# Altium PCB DAC_Sources.PcbDoc (part 5 of 8)
Units mm, origin at the board's own origin, x right, y up, seen from the top; angles counter-clockwise.
Board outline 277 x 137 mm, 8 copper layers (Top Layer, GND_02, SIG_03, PWR_04, PWR_05, SIG_06, GND_07, Bottom Layer), stack 1.669 mm thick; 635 components, 416 nets, 2247 pads, 2216 vias.
Unrouted connection lines stored in the file: 515.
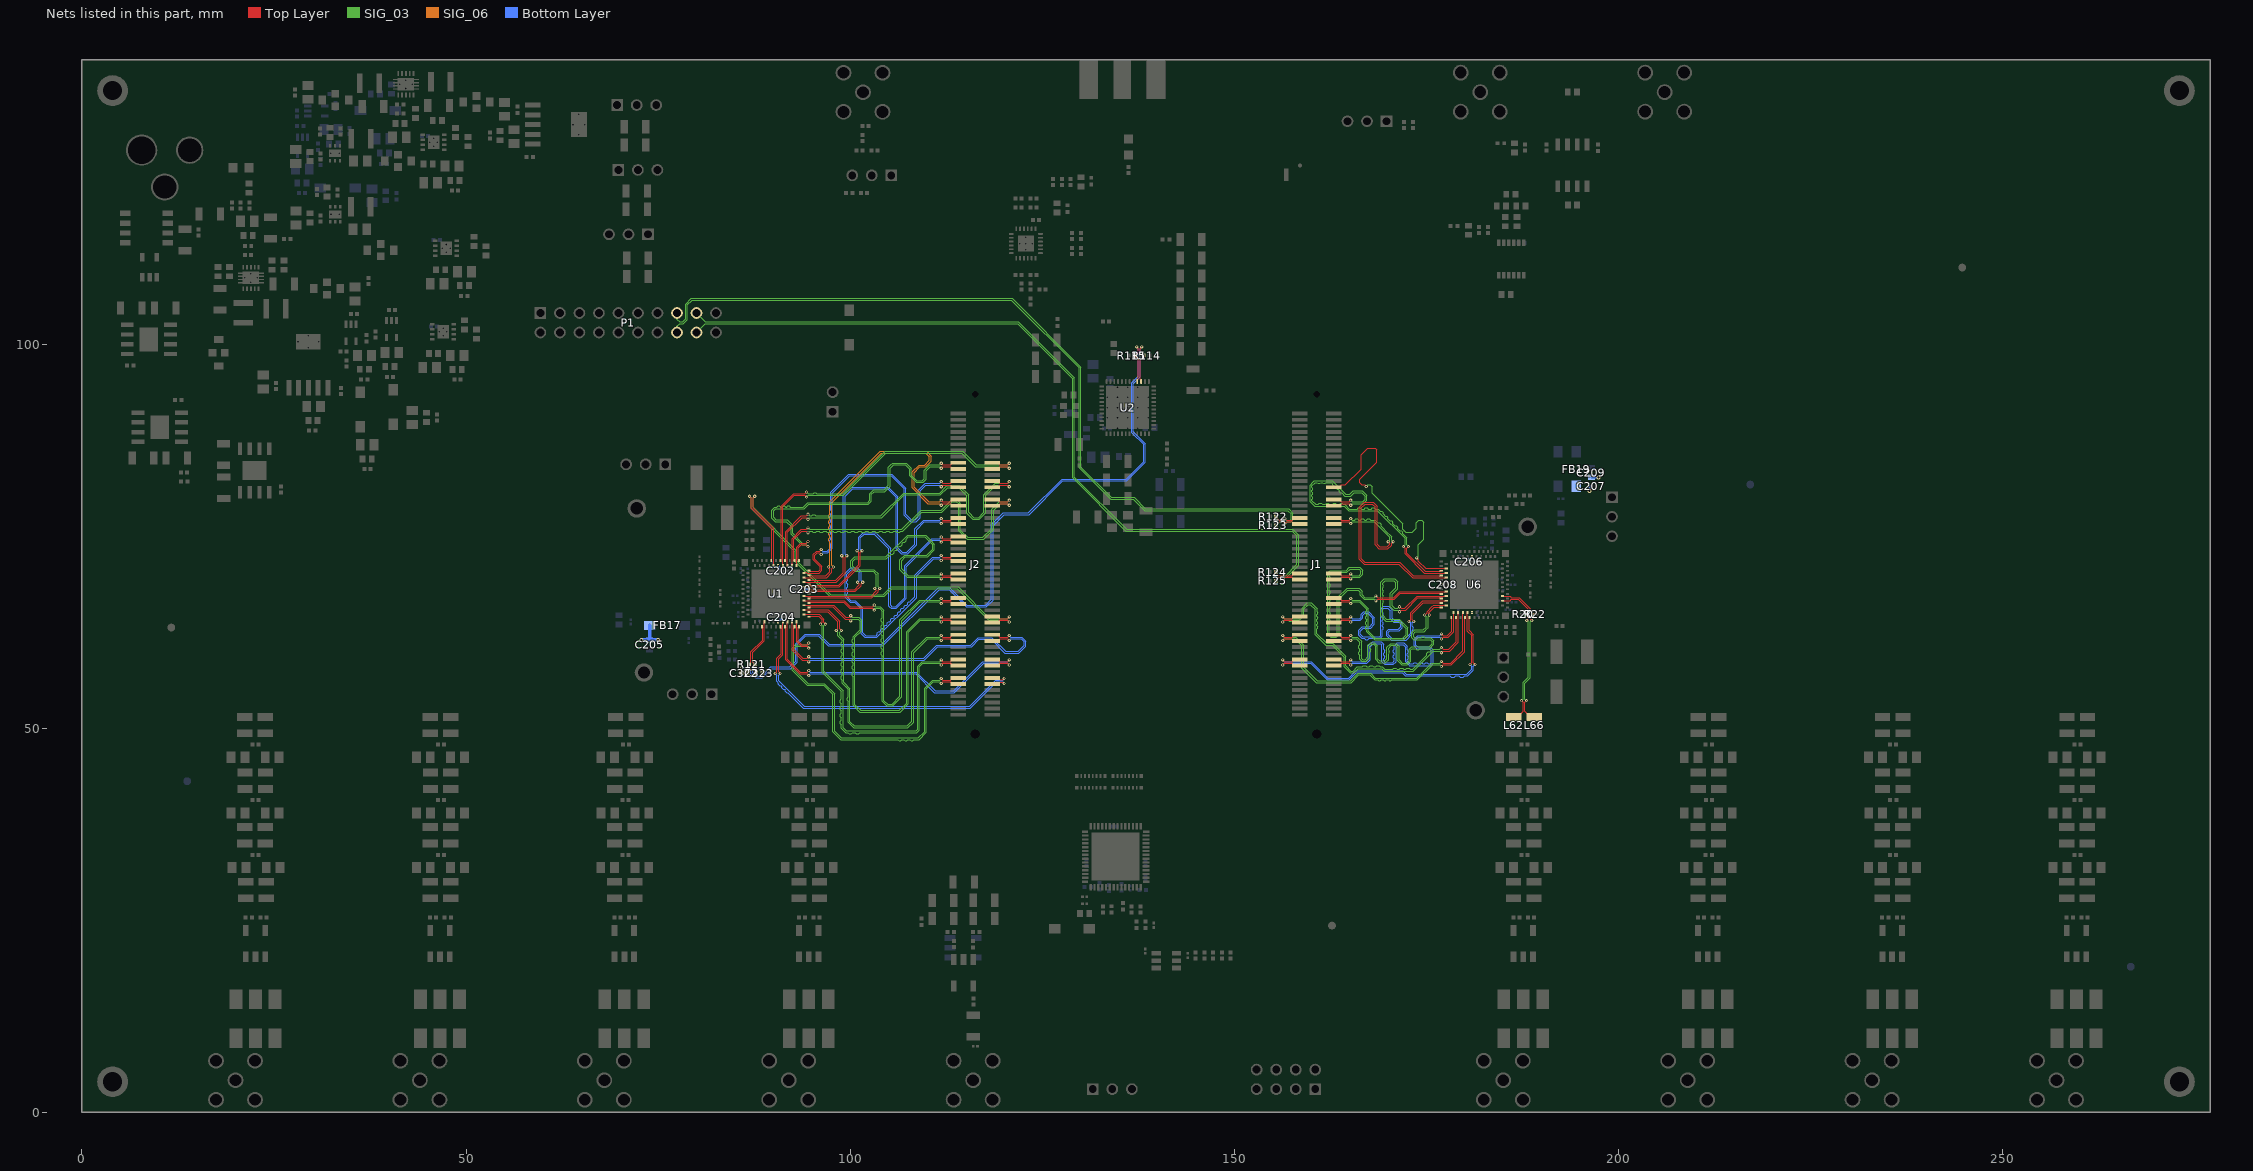
[diagram p11: the nets of this part, all layers, seen from the top]

## Via types
v1: diameter 0.406, hole 0.203, Top Layer to Bottom Layer, tented both sides, 1493 vias
v2: diameter 0.508, hole 0.254, Top Layer to Bottom Layer, tented both sides, 563 vias
v3: diameter 0.254, hole 0.152, Top Layer to Bottom Layer, tented both sides, 60 vias
v4: diameter 0.6, hole 0.3, Top Layer to Bottom Layer, tented top, 58 vias
v5: diameter 0.61, hole 0.305, Top Layer to Bottom Layer, tented top, 25 vias
v6: diameter 0.61, hole 0.305, Top Layer to Bottom Layer, tented both sides, 15 vias
v7: diameter 2, hole 1, Top Layer to Bottom Layer, tented both sides, 2 vias

## Nets (pads, with @x,y where several pads share a name; then routed paths per layer and width w, separated by ;. In a path a pad name is that pad's centre, name@x,y a point inside that pad or via, vN(x,y) a via of type N, cw(c..) or ccw(c..) an arc to the next point about the centre after c; other vN are vias at no path point) (continued)
IOUT2D_N: L66.1 R22.2 U6.B33 | length 20.2
  Top Layer w0.127: U6.B33@184.88,67.2 185.88,67.2 186.066,67.014 187.065,67.014 188.504,65.575 188.504,65.228 R22.2@188.87,64.862 188.807,64.798 188.673,64.798 188.504,64.63 188.504,64.268 v1(188.72,64.052) ; v1(188.031,53.594) 187.815,53.378 187.815,52.22 188.486,51.549 188.971,51.549 L66.1@189.034,51.486
  SIG_03 w0.102: v1(188.031,53.594) 187.815,53.81 187.815,55.872 188.504,56.561 188.504,63.836 v1(188.72,64.052)
IOUT2D_P: L62.2 R20.2 U6.B32 | length 19.8
  Top Layer w0.127: U6.B32@184.88,66.6 185.88,66.6 186.066,66.786 186.97,66.786 188.276,65.48 188.276,65.228 R20.2@187.91,64.862 187.974,64.798 188.107,64.798 188.276,64.63 188.276,64.268 v1(188.06,64.052) ; L62.2@186.367,51.486 186.431,51.549 186.916,51.549 187.587,52.22 187.587,53.378 v1(187.371,53.594)
  SIG_03 w0.102: v1(187.371,53.594) 187.587,53.81 187.587,55.967 188.276,56.656 188.276,63.836 v1(188.06,64.052)
IOVDD_DAC1: C202.1 C203.1 C204.1 C205.1 FB17.2 U1.A17 U1.B6 U1.B25 | length 5.8
  Bottom Layer w0.254: v3(90.63,63.868) 90.932,64.17 C204.1@91.01,64.17 ; v3(90.63,71.168) 90.97,70.828 C202.1@90.97,70.78 ; C203.1@94.31,68.08 94.63,67.76 v3(94.63,67.518)
  Bottom Layer w0.508: v2(72.83,61.48) C205.1@73.91,61.48 ; FB17.2@73.91,63.39 C205.1@73.91,61.48 ; v2(74.98,61.47) C205.1@73.9,61.47 C205.1@73.91,61.48
IOVDD_DAC2: C206.1 C207.1 C208.1 C209.1 FB19.2 U6.A17 U6.B6 U6.B25 | length 2.1
  Bottom Layer w0.254: C206.1@180.55,71.96 180.55,71.97 v3(180.93,72.35) ; v2(196.2,80.86) C207.1@196.2,81.5 ; C209.1@196.46,82.67 196.465,82.665 197.375,82.665 v2(197.38,82.66)
  other v3: 180.93,65.05 176.93,68.7
JX1_D0_DAC1_N: J2.17 U1.A27 | length 43.3
  Top Layer w0.127: U1.A27@90.93,71.818 90.991,71.88 90.991,72.019 91.001,72.029 91.001,78.91 92.625,80.534 94.104,80.534 v1(94.32,80.75) ; J2.17@118.475,84.567 119.225,84.567 119.412,84.38 119.412,84.358 119.489,84.281 120.481,84.281 v1(120.697,84.497)
  SIG_03 w0.102: v1(94.32,80.75) 94.536,80.534 95.184,80.534 95.32,80.67 95.534,80.67 95.67,80.534 97.4,80.534 99.054,80.534 104.557,86.037 114.636,86.037 116.392,84.281 120.481,84.281 v1(120.697,84.497)
JX1_D0_DAC1_P: J2.19 U1.B24 | length 43.4
  Top Layer w0.127: U1.B24@91.23,71.168 91.23,78.815 92.72,80.306 94.104,80.306 v1(94.32,80.09) ; J2.19@118.475,83.767 119.225,83.767 119.412,83.953 119.412,83.972 119.493,84.053 120.481,84.053 v1(120.697,83.837)
  SIG_03 w0.102: v1(94.32,80.09) 94.536,80.305 97.305,80.305 99.149,80.305 104.652,85.808 114.542,85.808 116.297,84.053 120.481,84.053 v1(120.697,83.837)
JX1_D1_DAC1_N: J2.23 U1.A26 | length 44.4
  Top Layer w0.127: U1.A26@91.53,71.818 91.591,71.88 91.591,72.019 91.601,72.029 91.601,75.609 93.645,77.653 94.294,77.653 v1(94.51,77.869) ; J2.23@118.475,82.167 119.225,82.167 119.412,81.98 119.412,81.958 119.489,81.881 120.481,81.881 v1(120.697,82.097)
  SIG_03 w0.102: v1(94.51,77.869) 94.726,77.653 95.003,77.653 95.14,77.79 95.36,77.79 95.497,77.653 103.983,77.653 106.949,80.619 111.649,80.619 112.583,81.553 114.227,81.553 115.4,80.38 115.4,78.101 116.071,77.43 116.701,77.43 117.401,78.13 117.401,80.425 118.858,81.881 120.481,81.881 v1(120.697,82.097)
JX1_D1_DAC1_P: J2.25 U1.B23 | length 44.6
  Top Layer w0.127: U1.B23@91.83,71.168 91.83,75.514 93.74,77.424 94.294,77.424 v1(94.51,77.208) ; J2.25@118.475,81.367 119.225,81.367 119.412,81.553 119.412,81.572 119.493,81.653 120.481,81.653 v1(120.697,81.437)
  SIG_03 w0.102: v1(94.51,77.208) 94.726,77.424 104.077,77.424 107.043,80.39 111.743,80.39 112.678,81.325 114.132,81.325 115.171,80.285 115.171,78.007 115.977,77.201 116.796,77.201 117.63,78.035 117.63,80.33 118.953,81.653 120.481,81.653 v1(120.697,81.437)
JX1_D2_DAC1_N: J2.29 U1.B22 | length 44.1
  Top Layer w0.127: U1.B22@92.43,71.168 92.43,72.825 92.43,74.699 93.605,75.874 94.294,75.874 v1(94.51,76.09) ; J2.29@118.475,79.767 119.225,79.767 119.412,79.58 119.412,79.558 119.489,79.481 120.481,79.481 v1(120.697,79.697)
  SIG_03 w0.102: v1(94.51,76.09) 94.726,75.874 106.724,75.874 109.229,78.379 111.839,78.379 113.201,79.741 113.915,79.741 114.35,79.305 114.35,75.8 115.31,74.84 117.28,74.84 118.441,76.001 118.441,78.495 119.428,79.481 120.481,79.481 v1(120.697,79.697)
JX1_D2_DAC1_P: J2.31 U1.A24 | length 44.2
  Top Layer w0.127: U1.A24@92.73,71.818 92.669,71.88 92.669,72.019 92.659,72.029 92.659,74.604 93.7,75.646 94.294,75.646 v1(94.51,75.43) ; J2.31@118.475,78.967 119.225,78.967 119.412,79.153 119.412,79.172 119.493,79.253 120.481,79.253 v1(120.697,79.037)
  SIG_03 w0.102: v1(94.51,75.43) 94.726,75.646 95.034,75.646 95.14,75.54 95.53,75.54 95.636,75.646 95.944,75.646 96.05,75.54 96.44,75.54 96.546,75.646 96.854,75.646 96.96,75.54 97.35,75.54 97.456,75.646 97.764,75.646 97.87,75.54 98.26,75.54 98.366,75.646 98.674,75.646 98.78,75.54 99.17,75.54 99.276,75.646 99.584,75.646 99.69,75.54 100.08,75.54 100.186,75.646 100.494,75.646 100.6,75.54 100.99,75.54 101.096,75.646 101.404,75.646 101.51,75.54 101.9,75.54 102.006,75.646 102.314,75.646 102.42,75.54 102.81,75.54 102.916,75.646 103.224,75.646 103.33,75.54 103.72,75.54 103.826,75.646 104.134,75.646 104.24,75.54 104.63,75.54 104.736,75.646 105.044,75.646 105.15,75.54 105.54,75.54 105.646,75.646 105.954,75.646 106.06,75.54 106.45,75.54 106.556,75.646 106.819,75.646 109.323,78.15 111.933,78.15 113.295,79.512 113.82,79.512 114.121,79.211 114.121,75.705 115.215,74.611 117.375,74.611 118.67,75.907 118.67,78.4 119.523,79.253 120.481,79.253 v1(120.697,79.037)
JX1_D3_DAC1_N: J2.20 U1.B21 | length 43.3
  Top Layer w0.127: U1.B21@93.03,71.168 93.03,72.825 93.03,73.573 93.553,74.096 94.294,74.096 v1(94.51,74.312) ; v1(111.853,83.837) 112.069,84.053 113.057,84.053 113.139,83.972 113.139,83.953 113.325,83.767 J2.20@114.075,83.767
  SIG_03 w0.102: v1(94.51,74.312) 94.294,74.096 93.79,74.096 92.529,75.358 92.529,76.415 91.803,77.14 90.33,77.14 90.035,77.435 90.035,78.313 90.293,78.571 94.002,78.571 94.581,79.15 101.473,79.15 102.353,79.15 102.77,79.567 102.77,80.45 103.131,80.811 104.506,80.811 105.21,81.515 105.21,83.857 105.643,84.29 107.17,84.29 107.741,83.719 107.741,82.845 108.575,82.011 109.495,82.011 109.88,82.397 109.88,83.51 110.423,84.053 111.637,84.053 v1(111.853,83.837)
JX1_D3_DAC1_P: J2.18 U1.A23 | length 43.5
  Top Layer w0.127: U1.A23@93.33,71.818 93.269,71.88 93.269,72.019 93.259,72.029 93.259,73.479 93.648,73.868 94.294,73.868 v1(94.51,73.652) ; v1(111.853,84.497) 112.069,84.281 113.061,84.281 113.139,84.358 113.139,84.38 113.325,84.567 J2.18@114.075,84.567
  SIG_03 w0.102: v1(94.51,73.652) 94.294,73.868 93.695,73.868 92.3,75.263 92.3,76.32 91.709,76.911 90.235,76.911 89.806,77.341 89.806,78.408 90.198,78.8 90.46,78.8 90.62,78.96 90.79,78.96 90.95,78.8 91.1,78.8 91.26,78.96 91.43,78.96 91.59,78.8 91.74,78.8 91.9,78.96 92.07,78.96 92.23,78.8 93.907,78.8 94.486,79.379 102.259,79.379 102.541,79.661 102.541,80.545 103.037,81.04 104.411,81.04 104.981,81.61 104.981,83.951 105.311,84.281 105.549,84.519 107.265,84.519 107.97,83.813 107.97,82.94 108.67,82.24 109.4,82.24 109.651,82.491 109.651,83.605 110.328,84.281 111.637,84.281 v1(111.853,84.497)
JX1_D4_DAC1_N: J2.24 U1.A22 | length 41
  Top Layer w0.127: U1.A22@94.63,70.518 94.691,70.457 94.819,70.457 94.841,70.435 95.897,70.435 96.1,70.638 96.1,71.017 95.191,71.925 95.191,72.625 95.631,73.064 96.024,73.064 v1(96.24,73.28) ; v1(111.853,82.097) 112.069,81.881 113.061,81.881 113.139,81.958 113.139,81.98 113.325,82.167 J2.24@114.075,82.167
  Bottom Layer w0.127: v1(96.24,73.28) 96.456,73.064 96.99,73.064 97.45,73.524 97.45,73.98 97.32,74.11 97.32,74.45 97.45,74.58 97.45,74.75 97.32,74.88 97.32,75.22 97.45,75.35 97.45,75.52 97.32,75.65 97.32,75.99 97.45,76.12 97.45,76.29 97.32,76.42 97.32,76.76 97.45,76.89 97.45,77.06 97.32,77.19 97.32,77.53 97.45,77.66 97.45,77.83 97.32,77.96 97.32,78.3 97.45,78.43 97.45,80.693 99.845,83.089 105.415,83.089 107.259,81.245 107.259,77.844 107.977,77.127 108.497,77.127 108.88,77.51 108.88,80.993 109.768,81.881 111.637,81.881 v1(111.853,82.097)
JX1_D4_DAC1_P: J2.26 U1.B20 | length 41
  Top Layer w0.127: U1.B20@93.98,70.218 94.042,70.28 94.312,70.28 94.385,70.207 95.992,70.207 96.329,70.543 96.329,71.111 95.42,72.02 95.42,72.53 95.726,72.836 96.024,72.836 v1(96.24,72.62) ; v1(111.853,81.437) 112.069,81.653 113.057,81.653 113.139,81.572 113.139,81.553 113.325,81.367 J2.26@114.075,81.367
  Bottom Layer w0.127: v1(96.24,72.62) 96.456,72.836 97.085,72.836 97.679,73.43 97.679,80.599 99.94,82.86 105.32,82.86 107.03,81.15 107.03,77.75 107.882,76.898 108.591,76.898 109.109,77.415 109.109,80.899 109.863,81.653 111.637,81.653 v1(111.853,81.437)
JX1_D5_DAC1_N: J2.30 U1.A21 | length 41.3
  Top Layer w0.127: U1.A21@94.63,69.918 94.691,69.857 94.831,69.857 94.841,69.847 96.837,69.847 97.371,70.38 97.371,70.777 v1(97.155,70.993) ; v1(111.853,79.697) 112.069,79.481 113.061,79.481 113.139,79.558 113.139,79.58 113.325,79.767 J2.30@114.075,79.767
  SIG_06 w0.102: v1(97.155,70.993) 97.371,71.209 97.371,74.229 97.21,74.39 97.21,74.64 97.371,74.801 97.371,74.999 97.21,75.16 97.21,75.41 97.371,75.571 97.371,75.769 97.21,75.93 97.21,76.18 97.371,76.341 97.371,76.539 97.21,76.7 97.21,76.95 97.371,77.111 97.371,77.309 97.21,77.47 97.21,77.72 97.371,77.881 97.371,79.474 97.438,79.541 103.935,86.039 109.935,86.039 110.549,85.425 110.549,84.765 109.813,84.03 109.07,84.03 108.32,83.28 108.32,81.38 110.219,79.481 111.637,79.481 v1(111.853,79.697)
JX1_D5_DAC1_P: J2.32 U1.B19 | length 41.3
  Top Layer w0.127: U1.B19@93.98,69.618 95.637,69.618 96.932,69.618 97.599,70.285 97.599,70.777 v1(97.815,70.993) ; v1(111.853,79.037) 112.069,79.253 113.057,79.253 113.139,79.172 113.139,79.153 113.325,78.967 J2.32@114.075,78.967
  SIG_06 w0.102: v1(97.815,70.993) 97.599,71.209 97.599,79.38 104.03,85.81 109.84,85.81 110.32,85.33 110.32,84.86 109.719,84.259 108.975,84.259 108.091,83.375 108.091,81.285 110.124,79.253 111.637,79.253 v1(111.853,79.037)
JX1_D6_DAC1_N: J2.36 U1.A20 | length 41.2
  Top Layer w0.127: U1.A20@94.63,69.318 94.691,69.257 94.831,69.257 94.841,69.247 98.107,69.247 99.117,70.257 99.117,72.243 v1(98.901,72.459) ; v1(111.853,77.297) 112.069,77.081 113.061,77.081 113.139,77.158 113.139,77.18 113.325,77.367 J2.36@114.075,77.367
  Bottom Layer w0.127: v1(98.901,72.459) 99.117,72.675 99.117,80.301 100.209,81.392 104.953,81.392 106.199,80.146 106.199,73.481 106.75,72.93 107.39,72.93 108.43,73.97 108.43,75.95 109.561,77.081 111.637,77.081 v1(111.853,77.297)
JX1_D6_DAC1_P: J2.38 U1.B18 | length 41.8
  Top Layer w0.127: U1.B18@93.98,69.018 95.637,69.018 98.201,69.018 99.346,70.163 99.346,72.243 v1(99.562,72.459) ; v1(111.853,76.637) 112.069,76.853 113.057,76.853 113.139,76.772 113.139,76.753 113.325,76.567 J2.38@114.075,76.567
  Bottom Layer w0.127: v1(99.562,72.459) 99.346,72.675 99.346,80.206 100.303,81.163 104.858,81.163 105.97,80.051 105.97,73.387 106.655,72.701 107.485,72.701 108.659,73.875 108.659,75.855 109.656,76.853 111.637,76.853 v1(111.853,76.637)
JX1_D7_DAC1_N: J2.42 U1.A19 | length 39.3
  Top Layer w0.127: U1.A19@94.63,68.718 94.691,68.657 94.831,68.657 94.841,68.647 98.487,68.647 101.106,71.266 101.106,72.884 v1(100.89,73.1) ; v1(111.853,74.897) 112.069,74.681 113.061,74.681 113.139,74.758 113.139,74.78 113.325,74.967 J2.42@114.075,74.967
  Bottom Layer w0.127: v1(100.89,73.1) 101.106,73.316 101.106,74.869 101.715,75.479 103.255,75.479 103.375,75.359 ; 103.442,75.292 105.27,73.463 105.27,66 105.441,65.829 105.899,65.829 107.07,67 107.07,71.152 110.6,74.681 111.637,74.681 v1(111.853,74.897)
JX1_D7_DAC1_P: J2.44 U1.B17 | length 40
  Top Layer w0.127: U1.B17@93.98,68.418 95.637,68.418 98.581,68.418 101.334,71.171 101.334,72.884 v1(101.55,73.1) ; v1(111.853,74.237) 112.069,74.453 113.057,74.453 113.139,74.372 113.139,74.353 113.325,74.167 J2.44@114.075,74.167
  Bottom Layer w0.127: v1(101.55,73.1) 101.334,73.316 101.334,74.774 101.81,75.25 103.16,75.25 105.041,73.369 105.041,65.905 105.108,65.838 105.347,65.6 105.993,65.6 107.232,66.838 107.299,66.905 107.299,71.057 110.694,74.453 111.637,74.453 v1(111.853,74.237)
JX1_D8_DAC1_N: J2.62 U1.B14 | length 44.5
  Top Layer w0.127: U1.B14@93.98,66.618 95.637,66.618 99.232,66.618 100.016,65.834 102.914,65.834 v1(103.13,66.05) ; v1(111.853,66.897) 112.069,66.681 113.061,66.681 113.139,66.758 113.139,66.78 113.325,66.967 J2.62@114.075,66.967
  SIG_03 w0.102: v1(103.13,66.05) 103.346,65.834 103.919,65.834 104.399,65.355 104.399,53.615 104.873,53.14 105.45,53.14 106.48,54.17 106.48,64.12 109.041,66.681 111.637,66.681 v1(111.853,66.897)
JX1_D8_DAC1_P: J2.64 U1.A15 | length 44.5
  Top Layer w0.127: U1.A15@94.63,66.318 94.691,66.379 94.831,66.379 94.841,66.389 99.137,66.389 99.921,65.605 102.914,65.605 v1(103.13,65.39) ; v1(111.853,66.237) 112.069,66.453 113.057,66.453 113.139,66.372 113.139,66.353 113.325,66.167 J2.64@114.075,66.167
  SIG_03 w0.102: v1(103.13,65.39) 103.346,65.605 103.825,65.605 104.17,65.26 104.17,64.37 104.037,64.237 104.037,63.907 104.17,63.774 104.17,63.497 104.037,63.364 104.037,63.034 104.17,62.901 104.17,62.624 104.037,62.491 104.037,62.161 104.17,62.028 104.17,61.751 104.037,61.618 104.037,61.288 104.17,61.155 104.17,60.878 104.037,60.745 104.037,60.415 104.17,60.282 104.17,60.005 104.037,59.872 104.037,59.542 104.17,59.409 104.17,53.52 104.779,52.911 105.545,52.911 106.709,54.075 106.709,64.025 109.136,66.453 111.637,66.453 v1(111.853,66.237)
JX1_D9_DAC1_N: J2.68 U1.B13 | length 44.3
  Top Layer w0.127: U1.B13@93.98,66.018 95.637,66.018 97.852,66.018 99.443,64.427 99.854,64.427 v1(100.07,64.643) ; v1(111.853,64.497) 112.069,64.281 113.061,64.281 113.139,64.358 113.139,64.38 113.325,64.567 J2.68@114.075,64.567
  SIG_03 w0.102: v1(100.07,64.643) 100.286,64.427 101.133,64.427 101.519,64.041 101.519,62.725 100.62,61.827 100.62,53.07 101.351,52.339 106.391,52.339 107.341,53.289 107.341,62.575 109.048,64.281 111.637,64.281 v1(111.853,64.497)
JX1_D9_DAC1_P: J2.70 U1.A14 | length 44.4
  Top Layer w0.127: U1.A14@94.63,65.718 94.691,65.78 94.831,65.78 94.841,65.789 97.757,65.789 99.348,64.199 99.854,64.199 v1(100.07,63.983) ; v1(111.853,63.837) 112.069,64.053 113.057,64.053 113.139,63.972 113.139,63.953 113.325,63.767 J2.70@114.075,63.767
  SIG_03 w0.102: v1(100.07,63.983) 100.286,64.199 101.038,64.199 101.29,63.947 101.29,62.82 100.391,61.921 100.391,61.681 100.258,61.548 100.258,61.218 100.391,61.085 100.391,60.808 100.258,60.675 100.258,60.345 100.391,60.212 100.391,59.935 100.258,59.802 100.258,59.472 100.391,59.339 100.391,59.062 100.258,58.929 100.258,58.599 100.391,58.466 100.391,58.189 100.258,58.056 100.258,57.726 100.391,57.593 100.391,57.316 100.258,57.183 100.258,56.853 100.391,56.719 100.391,52.975 101.257,52.11 106.486,52.11 107.57,53.194 107.57,62.48 109.143,64.053 111.637,64.053 v1(111.853,63.837)
JX1_D10_DAC1_N: J2.74 U1.B12 | length 43.8
  Top Layer w0.127: U1.B12@93.98,65.418 95.637,65.418 97.175,65.418 98.634,63.959 98.634,62.956 v1(98.85,62.74) ; v1(111.853,62.097) 112.069,61.881 113.061,61.881 113.139,61.958 113.139,61.98 113.325,62.167 J2.74@114.075,62.167
  SIG_03 w0.102: v1(98.85,62.74) 98.634,62.524 98.634,62.115 99.172,61.578 99.172,61.484 99.172,55.962 99.967,55.166 99.967,50.873 100.54,50.3 107.43,50.3 108.031,50.901 108.031,59.935 109.978,61.881 111.637,61.881 v1(111.853,62.097)
JX1_D10_DAC1_P: J2.76 U1.A13 | length 44
  Top Layer w0.127: U1.A13@94.63,65.118 94.691,65.179 94.831,65.179 94.841,65.189 97.081,65.189 98.406,63.864 98.406,62.956 v1(98.19,62.74) ; v1(111.853,61.437) 112.069,61.653 113.057,61.653 113.139,61.572 113.139,61.553 113.325,61.367 J2.76@114.075,61.367
  SIG_03 w0.102: v1(98.19,62.74) 98.406,62.524 98.406,62.021 98.943,61.484 98.943,61.243 98.81,61.11 98.81,60.78 98.943,60.647 98.943,60.37 98.81,60.237 98.81,59.907 98.943,59.774 98.943,59.497 98.81,59.364 98.81,59.034 98.943,58.901 98.943,58.624 98.81,58.491 98.81,58.161 98.943,58.028 98.943,57.751 98.81,57.618 98.81,57.288 98.943,57.155 98.943,56.878 98.81,56.745 98.81,56.415 98.943,56.282 98.943,55.867 99.738,55.072 99.738,54.078 99.59,53.93 99.59,53.618 99.738,53.47 99.738,50.778 99.805,50.711 100.445,50.071 107.525,50.071 108.26,50.807 108.26,59.84 110.073,61.653 111.637,61.653 v1(111.853,61.437)
JX1_D11_DAC1_N: J2.82 U1.B11 | length 42.3
  Top Layer w0.127: U1.B11@93.98,64.818 95.637,64.818 95.991,64.818 96.585,64.225 96.585,63.776 v1(96.8,63.56) ; v1(111.853,58.897) 112.069,58.681 113.061,58.681 113.139,58.758 113.139,58.78 113.325,58.967 J2.82@114.075,58.967
  SIG_03 w0.102: v1(96.8,63.56) 96.585,63.344 96.585,57.399 99.07,54.913 99.07,50.07 99.491,49.649 108.589,49.649 108.791,49.851 108.791,58.101 109.371,58.681 111.637,58.681 v1(111.853,58.897)
JX1_D11_DAC1_P: J2.84 U1.A12 | length 42.4
  Top Layer w0.127: U1.A12@94.63,64.518 94.691,64.579 94.831,64.579 94.841,64.589 95.897,64.589 96.356,64.13 96.356,63.776 v1(96.14,63.56) ; v1(111.853,58.237) 112.069,58.453 113.057,58.453 113.139,58.372 113.139,58.353 113.325,58.167 J2.84@114.075,58.167
  SIG_03 w0.102: v1(96.14,63.56) 96.356,63.344 96.356,57.304 98.841,54.819 98.841,53.814 98.69,53.663 98.69,53.354 98.841,53.203 98.841,52.893 98.69,52.741 98.69,52.433 98.841,52.281 98.841,51.971 98.69,51.82 98.69,51.511 98.841,51.36 98.841,51.05 98.69,50.899 98.69,50.59 98.841,50.439 98.841,49.975 99.397,49.42 99.707,49.42 99.858,49.269 100.167,49.269 100.318,49.42 100.628,49.42 100.78,49.269 101.088,49.269 101.24,49.42 108.683,49.42 109.02,49.757 109.02,58.007 109.466,58.453 111.637,58.453 v1(111.853,58.237)
JX1_D12_DAC1_N: J2.88 U1.B10 | length 44.1
  Top Layer w0.127: U1.B10@93.03,63.868 93.03,61.257 93.631,60.655 94.394,60.655 v1(94.61,60.44) ; v1(111.853,56.497) 112.069,56.281 113.061,56.281 113.139,56.358 113.139,56.38 113.325,56.567 J2.88@114.075,56.567
  SIG_03 w0.102: v1(94.61,60.44) 94.394,60.655 92.965,60.655 92.67,60.36 92.67,57.68 94.531,55.819 96.645,55.819 97.969,54.495 97.969,49.641 98.85,48.76 108.89,48.76 109.681,49.551 109.681,55.235 110.728,56.281 111.637,56.281 v1(111.853,56.497)
JX1_D12_DAC1_P: J2.90 U1.A11 | length 44.2
  Top Layer w0.127: U1.A11@93.33,63.218 93.269,63.157 93.269,63.017 93.259,63.007 93.259,61.351 93.726,60.884 94.394,60.884 v1(94.61,61.1) ; v1(111.853,55.837) 112.069,56.053 113.057,56.053 113.139,55.972 113.139,55.953 113.325,55.767 J2.90@114.075,55.767
  SIG_03 w0.102: v1(94.61,61.1) 94.394,60.884 92.871,60.884 92.441,60.455 92.441,57.585 94.437,55.59 96.55,55.59 97.74,54.4 97.74,49.547 98.755,48.531 106.2,48.531 106.361,48.37 106.56,48.37 106.721,48.531 106.989,48.531 107.15,48.37 107.349,48.37 107.51,48.531 107.777,48.531 107.939,48.37 108.137,48.37 108.299,48.531 108.985,48.531 109.91,49.457 109.91,55.14 110.823,56.053 111.637,56.053 v1(111.853,55.837)
JX1_D13_DAC1_N: J2.73 U1.B9 | length 42.7
  Top Layer w0.127: U1.B9@92.43,63.868 92.43,60.171 93.735,58.866 94.394,58.866 v1(94.61,58.65) ; J2.73@118.475,62.167 119.225,62.167 119.412,61.98 119.412,61.958 119.489,61.881 120.481,61.881 v1(120.697,62.097)
  Bottom Layer w0.127: v1(94.61,58.65) 94.826,58.866 109.649,58.866 111.392,60.608 115.792,60.608 115.859,60.675 116.762,61.578 118.338,61.578 120.145,59.771 121.965,59.771 122.879,60.685 122.879,61.337 122.335,61.881 120.913,61.881 v1(120.697,62.097)
JX1_D13_DAC1_P: J2.75 U1.A10 | length 40.9
  Top Layer w0.127: U1.A10@92.73,63.218 92.669,63.157 92.669,63.017 92.659,63.007 92.659,60.266 93.83,59.094 94.394,59.094 v1(94.61,59.31) ; J2.75@118.475,61.367 119.225,61.367 119.412,61.553 119.412,61.572 119.493,61.653 120.481,61.653 v1(120.697,61.437)
  Bottom Layer w0.127: v1(94.61,59.31) 94.826,59.094 109.554,59.094 111.297,60.837 115.697,60.837 116.667,61.807 118.433,61.807 120.24,60 121.87,60 122.65,60.78 122.65,61.243 122.24,61.653 120.913,61.653 v1(120.697,61.437)
JX1_D14_DAC1_N: J2.81 U1.B8 | length 39.7
  Top Layer w0.127: U1.B8@91.83,63.868 91.83,58.984 93.51,57.304 94.394,57.304 v1(94.61,57.52) ; J2.81@118.475,58.967 119.225,58.967 119.412,58.78 119.412,58.758 119.489,58.681 120.481,58.681 v1(120.697,58.897)
  Bottom Layer w0.127: v1(94.61,57.52) 94.826,57.304 108.629,57.304 111.063,54.87 113.467,54.87 117.278,58.681 120.481,58.681 v1(120.697,58.897)
JX1_D14_DAC1_P: J2.83 U1.A8 | length 39.5
  Top Layer w0.127: U1.A8@91.53,63.218 91.591,63.157 91.591,63.017 91.601,63.007 91.601,58.889 93.415,57.076 94.394,57.076 v1(94.61,56.86) ; J2.83@118.475,58.167 119.225,58.167 119.412,58.353 119.412,58.372 119.493,58.453 120.481,58.453 v1(120.697,58.237)
  Bottom Layer w0.127: v1(94.61,56.86) 94.826,57.076 108.534,57.076 110.969,54.641 113.561,54.641 117.373,58.453 120.481,58.453 v1(120.697,58.237)
JX1_D15_DAC1_N: J2.87 U1.B7 | length 42.1
  Top Layer w0.127: v1(90.89,57.14) 90.674,57.356 90.674,59.041 91.23,59.597 U1.B7@91.23,63.868 ; J2.87@118.475,56.567 119.225,56.567 119.473,56.319 119.862,56.319 v1(120.04,56.497)